# Altium PCB cyber60-smk.PcbDoc (part 1 of 4)
Units mm, origin at the board's own origin, x right, y up, seen from the top; angles counter-clockwise.
Board outline 284.73 x 94.2 mm, 2 copper layers (Component Side, Bottom Layer), stack 1.571 mm thick; 239 components, 148 nets, 988 pads, 591 vias.
Unrouted connection lines stored in the file: 6.
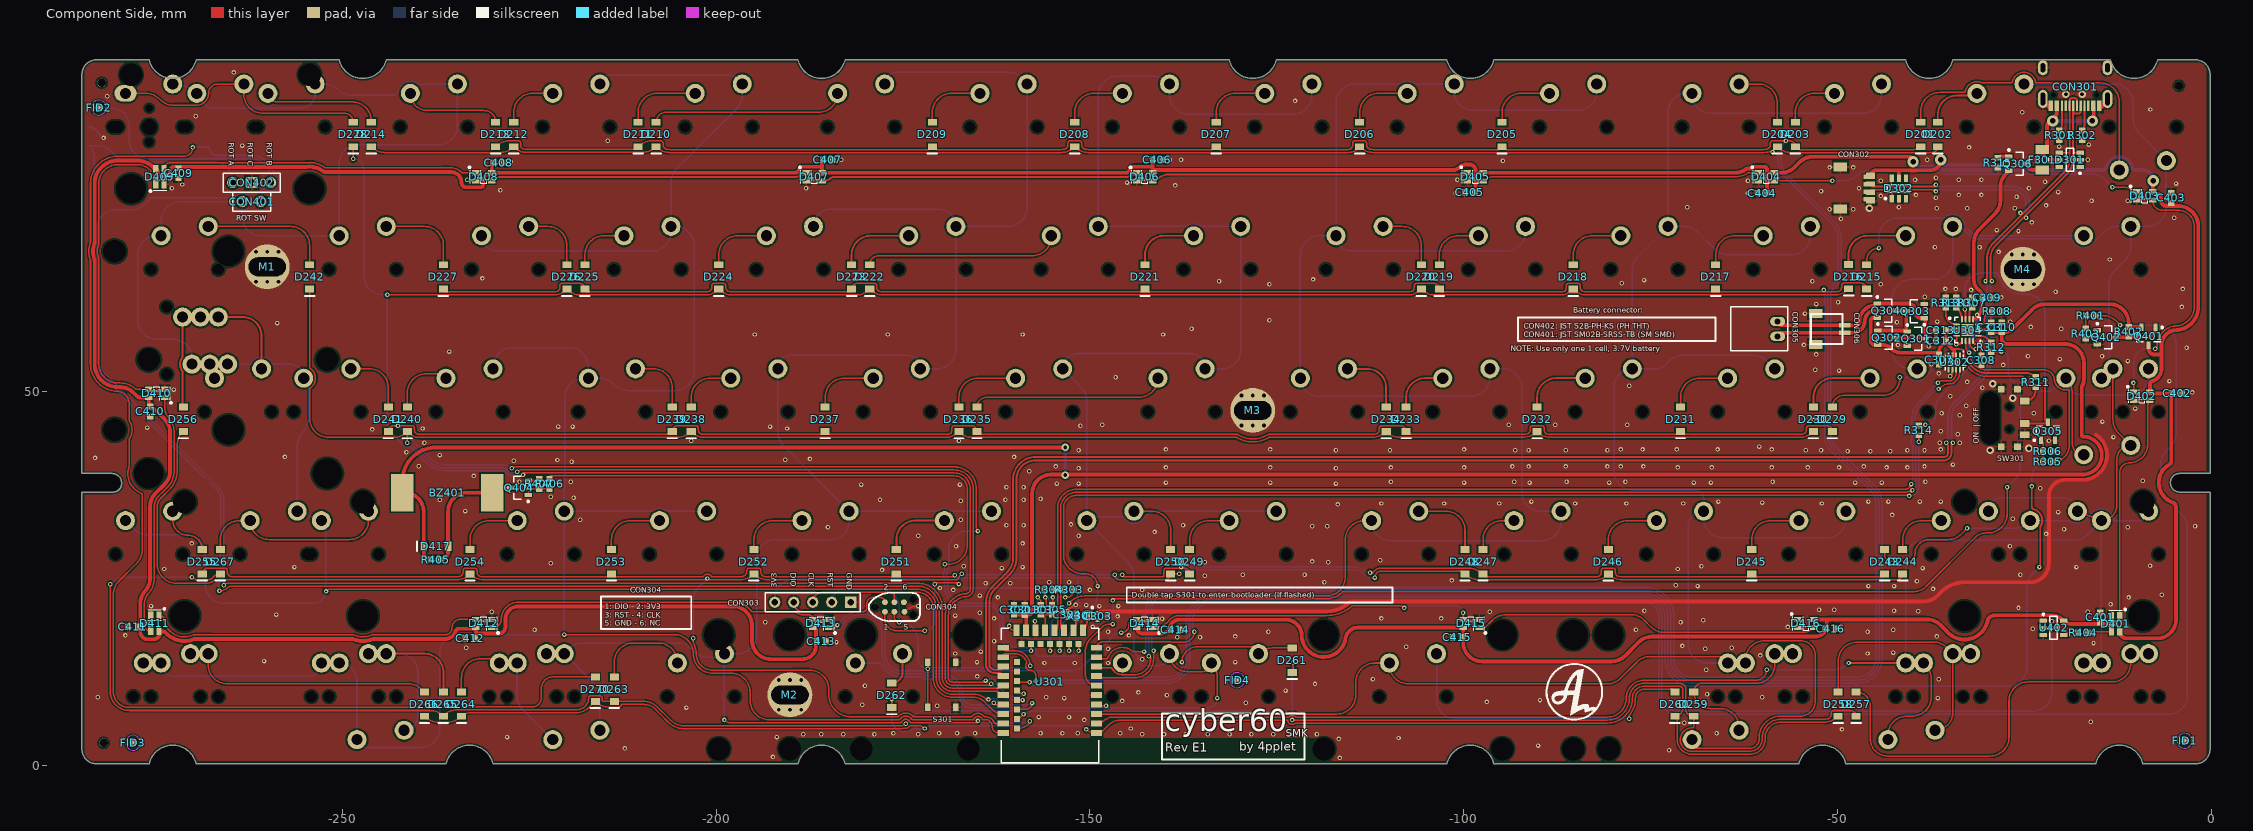
[diagram p0: Component Side view]
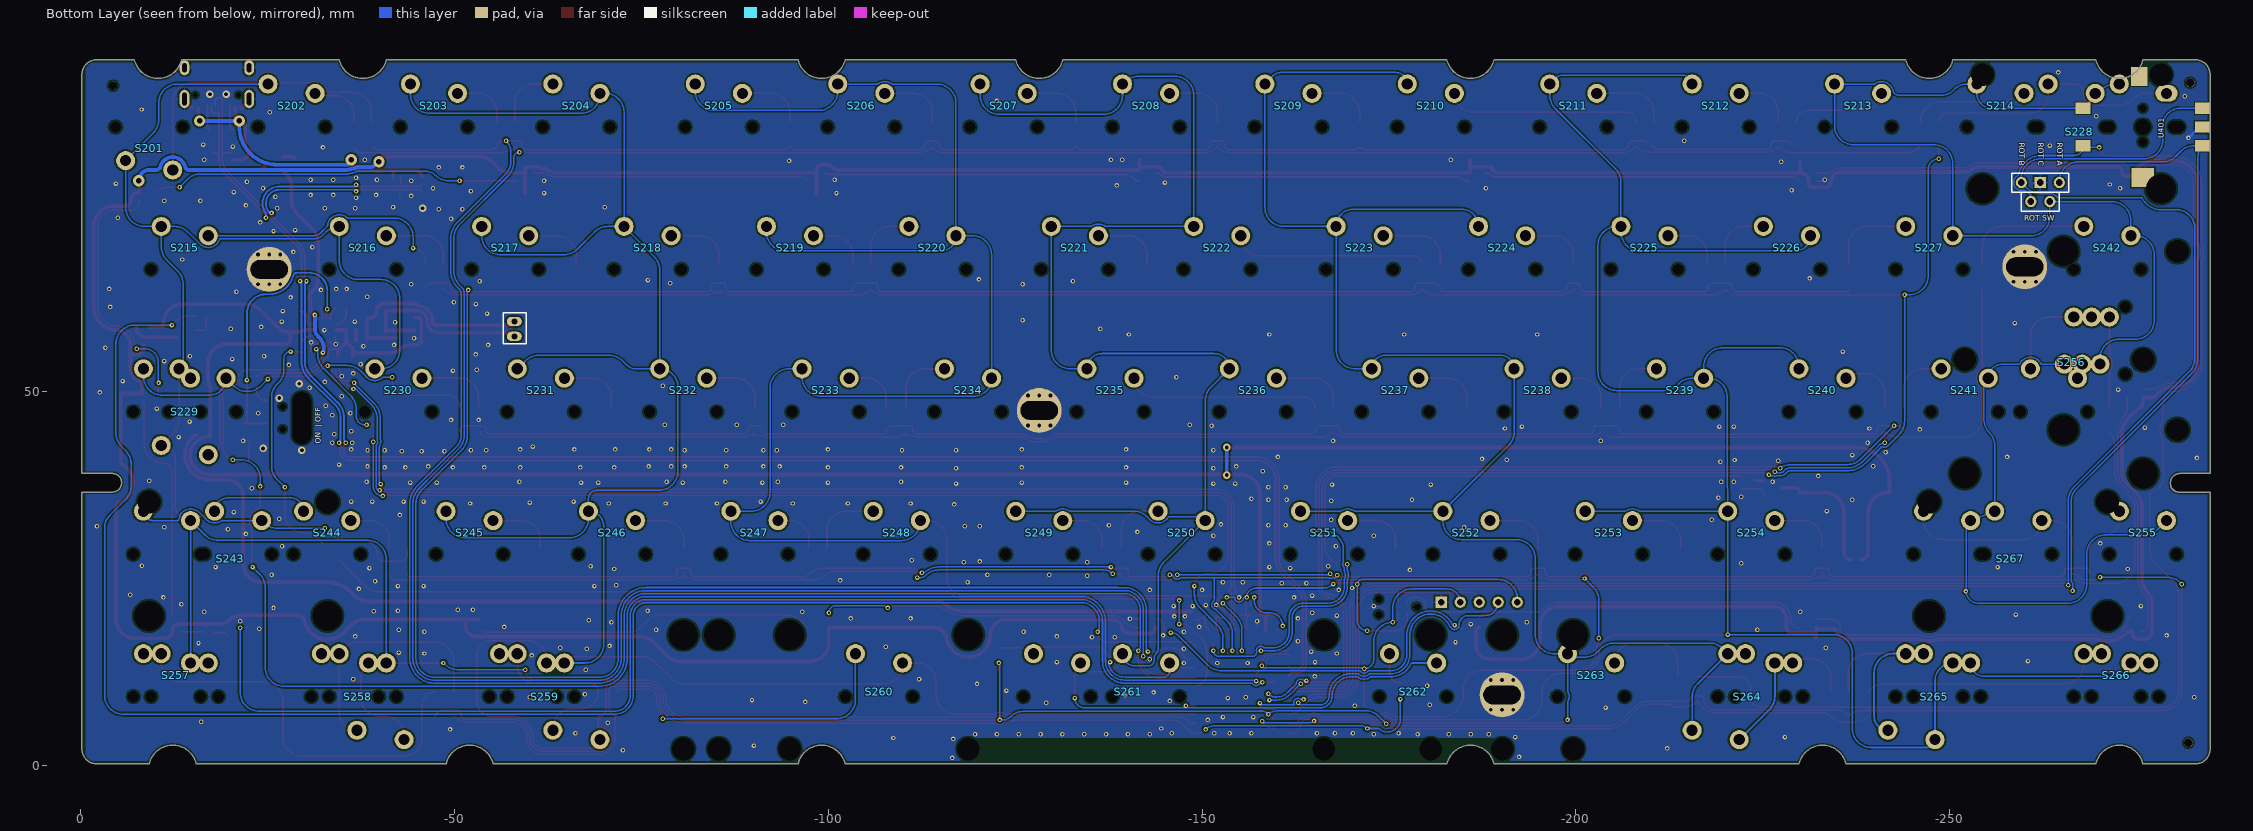
[diagram p1: Bottom Layer view, seen from below]
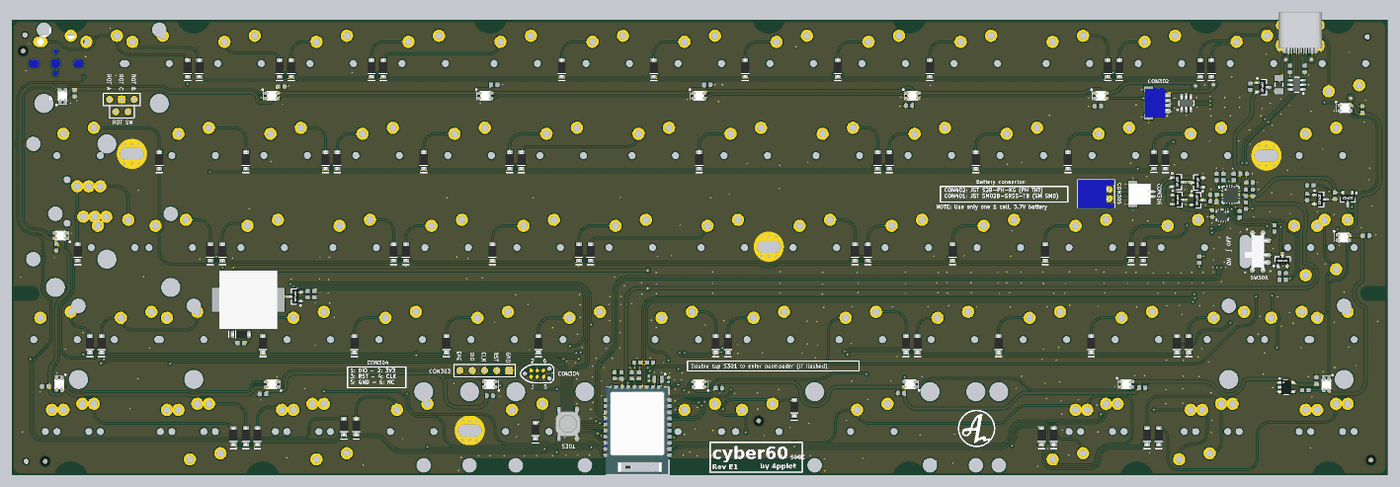
[diagram p5: 3D render of the assembled board from above, using the file's embedded part models]

## Layer stack, top to bottom
Top Solder: solder mask 0.0102, Solder Resist, Dk 3.5
Component Side: signal copper 0.0356
Dielectric 1: core 1.5, FR-4, Dk 4.2
Bottom Layer: signal copper 0.0356
Solder Side: solder mask 0.0102, Solder Resist, Dk 3.5

## Board outline
-284.85,2.215 ccw(c-282.85,2.215) -282.85,0.215 -275.85,0.215 cw(c-272.7,-0.52) -269.55,0.215 -236.137,0.215 cw(c-232.987,-0.52) -229.838,0.215 -189.05,0.215 cw(c-185.9,-0.52) -182.75,0.215 -102.25,0.215 cw(c-99.1,-0.52) -95.95,0.215 -55.161,0.215 cw(c-52.011,-0.52) -48.861,0.215 -15.45,0.215 cw(c-12.3,-0.52) -9.15,0.215 -2.15,0.215 ccw(c-2.15,2.215) -0.15,2.215 ccw(c-0.15,2.238) -0.127,2.238 -0.127,36.576 -4.191,36.576 cw(c-4.191,37.846) -5.461,37.846 cw(c-4.242,37.846) -4.242,39.065 -0.15,39.065 -0.15,92.415 ccw(c-2.15,92.415) -2.15,94.415 -7.177,94.415 cw(c-10.327,95.149) -13.477,94.415 -34.575,94.415 cw(c-37.724,95.149) -40.874,94.415 -95.95,94.415 cw(c-99.1,95.149) -102.25,94.415 -125.061,94.415 cw(c-128.211,95.149) -131.361,94.415 -182.75,94.415 cw(c-185.9,95.149) -189.05,94.415 -244.125,94.415 cw(c-247.274,95.149) -250.424,94.415 -269.55,94.415 cw(c-272.7,95.149) -275.85,94.415 -282.85,94.415 ccw(c-282.85,92.415) -284.85,92.415 -284.85,39.065 -280.797,39.065 cw(c-280.797,37.795) -279.527,37.795 -279.527,37.719 cw(c-280.67,37.719) -280.67,36.576 -284.861,36.576 -284.85,36.565

## Design rules (kind name [scope] priority, off if disabled: settings)
BoardOutlineClearance [All] p1: gap=0.305 ignorepadtopadclearanceinfootprint=FALSE except(0: Arc-SplitContinuation Track-SplitContinuation SMDPad-SplitContinuation THPad-SplitContinuation Via-SplitContinuation Fill-SplitContinuation Poly-SplitContinuation Region-SplitContinuation Text-SplitContinuation)
Clearance [All] p1: gap=0.2 ignorepadtopadclearanceinfootprint=FALSE except(0: Arc-Hole Track-Hole SMDPad-Hole THPad-Hole Via-Hole Fill-Hole Poly-Hole Region-Hole Text-Hole; 0.254: THPad-THPad THPad-Via THPad-Fill THPad-Poly THPad-Region THPad-Text Via-Via Via-Fill Via-Poly Via-Region Via-Text Fill-Fill Fill-Poly Fill-Region Fill-Text Poly-Poly Poly-Region Poly-Text Region-Region Region-Text Text-Text)
ComponentClearance [InComponent('No Component') And OnLayer('Component Side')] p1: gap=0.254 collisioncheckmode=3 verticalgap=0.254 showdistances=FALSE
DiffPairsRouting DiffPairsRouting_USB [InDifferentialPairClass('All Differential Pairs')] p1: maxlimit=0.254 minlimit=0.203 mostfreqgap=0.203 toplayer_minwidth=0.152 toplayer_maxwidth=0.381 toplayer_prefwidth=0.152 bottomlayer_minwidth=0.152 bottomlayer_maxwidth=0.381 bottomlayer_prefwidth=0.152 maxuncoupledlength=12.7
DiffPairsRouting [All] p2: maxlimit=0.254 minlimit=0.254 mostfreqgap=0.254 toplayer_minwidth=0.381 toplayer_maxwidth=0.381 toplayer_prefwidth=0.381 bottomlayer_minwidth=0.381 bottomlayer_maxwidth=0.381 bottomlayer_prefwidth=0.381 maxuncoupledlength=12.7
HoleSize [All] p1: absolutevalues=TRUE maxlimit=20 minlimit=0.025 maxpercent=80.000 minpercent=20.000
MatchedLengths MatchedLengths_USB_DiffPairs_1 [All] p1: tolerance=0.127 checknetsindiffpair=TRUE checkdiffpairvsdiffpair=FALSE checkxsignals=FALSE checkothers=FALSE
MatchedLengths MatchedLengths_USB_DiffPairs [All] p2: tolerance=0.127 checknetsindiffpair=TRUE checkdiffpairvsdiffpair=FALSE checkxsignals=FALSE checkothers=FALSE
PolygonConnect PolygonConnect_1 [All vs IsVia] p1: connectstyle=Direct reliefconductorwidth=0.254 reliefentries=4 polygonreliefangle="90 Angle" airgapwidth=0.254
PolygonConnect [All] p2: connectstyle=Relief reliefconductorwidth=0.254 reliefentries=4 polygonreliefangle="90 Angle" airgapwidth=0.254
RoutingVias [All] p1: holewidth=0.711 width=1.27 viastyle="Through Hole" minholewidth=0.3 minwidth=0.6 maxholewidth=0.711 maxwidth=1.27
SolderMaskExpansion [All] p1: expansion=0.102 istentingtop=FALSE
Width [All] p1: maxlimit=1.016 minlimit=0.203 preferedwidth=0.203
27 further rules are at their usual default settings.

## Classes and differential pairs
component class Designator: 2 C201 C202 C203 C204 C205 C206 D201 D202 D203 D204 D205 D206 D207 D208 D209 D210 D211 D212 D213 D214 D215 D216 D217 D218 D219 D220 D221 D222 D223 D224 D225 D226 D227 D228 D229 D230 D231 D232 D233 D234 D235 D236 D237 D238 D239 D240 D241 D242 D243 D244 D245 D246 D247 D248 D249 D250 D251 D252 D253 D254 D255 D256 D257 D258 D259 D260 D261 D262 D263 D264 D265 D266 D267 D270 S201 S202 S203 S204 S205 S206 S207 S208 S209 S210 S211 S212 S213 S214 S215 S216 S217 S218 S219 S220 S221 S222 S223 S224 S225 S226 S227 S228 S229 S230 S231 S232 S233 S234 S235 S236 S237 S238 S239 S240 S241 S242 S243 S244 S245 S246 S247 S248 S249 S250 S251 S252 S253 S254 S255 S256 S257 S258 S259 S260 S261 S262 S263 S264 S265 S266 S267
differential pair D: +D_P -D_N

## Components (designator, comment, footprint, x,y, rotation, side; value= is the part's Value field where it differs from the comment)
BZ401 "12x12mm buzzer" "buzzer 12x12" -235.966,36.5 r0 top
C301 "" C0603[1608] -158.697,20.813 r270 top value=0.1uF
C302 "" C0603[1608] -160.147,20.828 r270 top value=4.7uF
C303 "" C0402[1005] -148.971,19.939 r270 top value=12pF
C304 "" C0402[1005] -153.011,20.193 r270 top value=12pF
C305 "" C0603[1608] -155.067,20.828 r270 top value=1uF
C307 "" C0603[1608] -36.406,54.312 r90 top value=0.1uF
C308 "" C0603[1608] -30.734,54.2 r270 top value=1uF
C309 "" C0603[1608] -29.929,62.567 r180 top value=0.1uF
C310 "" C0603[1608] -28.024,58.63 r270 top value=1uF
C311 "" C0603[1608] -29.421,58.63 r270 top
C312 "" C0603[1608] -36.152,56.852 r0 top value=1uF
C313 "" C0603[1608] -36.152,58.249 r0 top value=4,7uF
C401 "" C0603[1608] -14.859,19.812 r270 top value=0.1uF
C402 "" C0603[1608] -4.572,49.784 r180 top value=0.1uF
C403 "" C0603[1608] -5.334,75.931 r270 top value=0.1uF
C404 "" C0603[1608] -60.071,76.581 r0 top value=0.1uF
C405 "" C0603[1608] -99.187,76.708 r0 top value=0.1uF
C406 "" C0603[1608] -140.97,81.026 r180 top value=0.1uF
C407 "" C0603[1608] -185.054,81.026 r180 top value=0.1uF
C408 "" C0603[1608] -229.108,80.645 r180 top value=0.1uF
C409 "" C0603[1608] -271.907,79.248 r90 top value=0.1uF
C410 "" C0603[1608] -275.717,47.371 r90 top value=0.1uF
C411 "" C0603[1608] -278.003,18.542 r0 top value=0.1uF
C412 "" C0603[1608] -232.918,17.018 r0 top value=0.1uF
C413 "" C0603[1608] -185.928,16.637 r180 top value=0.1uF
C414 "" C0603[1608] -138.557,18.161 r180 top value=0.1uF
C415 "" C0603[1608] -100.838,17.145 r0 top value=0.1uF
C416 "" C0603[1608] -50.927,18.288 r180 top value=0.1uF
CON301 "TYPE-C-31-M-12" TYPE-C-31-M-12 -18.2,88.25 r180 top locked
CON302 "Header 5" UDB_COMBO_JST_MOLEX -47.75,77.25 r270 top
CON303 "Header 5" HDR1X5 -181.991,21.844 r180 top
CON304 "TC2030-IDC" TC2030-IDC-NL -176.149,21.209 r0 top
CON305 "JST S2B-PH THT" "JST S2B-PH-K(LF)(SN)" -58,58.404 r90 top
CON306 "JST SM02B SMD" "JST SM02B-SRSS-TB" -49,58.396 r270 top
CON401 "Header 2" HDR1X2 -260.858,75.438 r180 top
CON402 "Header 3" HDR1X3 -259.588,77.978 r180 top
D201 "Diode" SOD-123 -38.862,84.415 r90 top
D202 "Diode" SOD-123 -36.576,84.415 r90 top
D203 "Diode" SOD-123 -55.626,84.415 r90 top
D204 "Diode" SOD-123 -58.039,84.415 r90 top
D205 "Diode" SOD-123 -94.869,84.415 r90 top
D206 "Diode" SOD-123 -113.919,84.415 r90 top
D207 "Diode" SOD-123 -133.096,84.415 r90 top
D208 "Diode" SOD-123 -152.019,84.415 r90 top
D209 "Diode" SOD-123 -171.069,84.415 r90 top
D210 "Diode" SOD-123 -208.026,84.415 r90 top
D211 "Diode" SOD-123 -210.439,84.415 r90 top
D212 "Diode" SOD-123 -227.076,84.415 r90 top
D213 "Diode" SOD-123 -229.489,84.415 r90 top
D214 "Diode" SOD-123 -246.126,84.415 r90 top
D215 "Diode" SOD-123 -46.101,65.365 r90 top
D216 "Diode" SOD-123 -48.514,65.405 r90 top
D217 "Diode" SOD-123 -66.294,65.365 r90 top
D218 "Diode" SOD-123 -85.344,65.365 r90 top
D219 "Diode" SOD-123 -103.251,65.365 r90 top
D220 "Diode" SOD-123 -105.664,65.365 r90 top
D221 "Diode" SOD-123 -142.621,65.365 r90 top
D222 "Diode" SOD-123 -179.451,65.365 r90 top
D223 "Diode" SOD-123 -181.864,65.365 r90 top
D224 "Diode" SOD-123 -199.644,65.365 r90 top
D225 "Diode" SOD-123 -217.551,65.365 r90 top
D226 "Diode" SOD-123 -219.964,65.365 r90 top
D227 "Diode" SOD-123 -236.474,65.365 r90 top
D228 "Diode" SOD-123 -248.539,84.415 r90 top
D229 "Diode" SOD-123 -50.673,46.315 r90 top
D230 "Diode" SOD-123 -53.213,46.315 r90 top
D231 "Diode" SOD-123 -70.993,46.315 r90 top
D232 "Diode" SOD-123 -90.17,46.315 r90 top
D233 "Diode" SOD-123 -107.696,46.315 r90 top
D234 "Diode" SOD-123 -110.363,46.315 r90 top
D235 "Diode" SOD-123 -165.1,46.315 r90 top
D236 "Diode" SOD-123 -167.513,46.315 r90 top
D237 "Diode" SOD-123 -185.42,46.315 r90 top
D238 "Diode" SOD-123 -203.327,46.315 r90 top
D239 "Diode" SOD-123 -205.867,46.315 r90 top
D240 "Diode" SOD-123 -241.3,46.315 r90 top
D241 "Diode" SOD-123 -243.84,46.315 r90 top
D242 "Diode" SOD-123 -254.381,65.365 r90 top
D243 "Diode" SOD-123 -43.688,27.265 r90 top
D244 "Diode" SOD-123 -41.275,27.265 r90 top
D245 "Diode" SOD-123 -61.468,27.265 r90 top
D246 "Diode" SOD-123 -80.645,27.265 r90 top
D247 "Diode" SOD-123 -97.409,27.265 r90 top
D248 "Diode" SOD-123 -99.822,27.265 r90 top
D249 "Diode" SOD-123 -136.652,27.265 r90 top
D250 "Diode" SOD-123 -139.192,27.265 r90 top
D251 "Diode" SOD-123 -175.895,27.265 r90 top
D252 "Diode" SOD-123 -194.945,27.265 r90 top
D253 "Diode" SOD-123 -213.995,27.265 r90 top
D254 "Diode" SOD-123 -232.918,27.265 r90 top
D255 "Diode" SOD-123 -268.732,27.265 r90 top
D256 "Diode" SOD-123 -271.272,46.315 r90 top
D257 "Diode" SOD-123 -47.498,8.215 r90 top
D258 "Diode" SOD-123 -49.911,8.215 r90 top
D259 "Diode" SOD-123 -69.215,8.215 r90 top
D260 "Diode" SOD-123 -71.755,8.215 r90 top
D261 "Diode" SOD-123 -122.936,14.097 r90 top
D262 "Diode" SOD-123 -176.5,9.398 r90 top
D263 "Diode" SOD-123 -213.614,10.215 r90 top
D264 "Diode" SOD-123 -234.061,8.215 r90 top
D265 "Diode" SOD-123 -236.474,8.215 r90 top
D266 "Diode" SOD-123 -239.014,8.215 r90 top
D267 "Diode" SOD-123 -266.319,27.265 r90 top
D270 "Diode" SOD-123 -216.154,10.215 r90 top
D301 "SRV05" SOT-23-6 -18.923,81.026 r0 top
D302 "SRV05" SOT-23-6 -41.783,77.216 r270 top
D401 "WS2812B" "WS2812B - 2020" -12.785,18.972 r270 top
D402 "WS2812B" "WS2812B - 2020" -9.271,49.403 r0 top
D403 "WS2812B" "WS2812B - 2020" -8.89,76.2 r0 top
D404 "WS2812B" "WS2812B - 2020" -59.5,78.75 r0 top
D405 "WS2812B" "WS2812B - 2020" -98.433,78.75 r0 top
D406 "WS2812B" "WS2812B - 2020" -142.65,78.75 r0 top
D407 "WS2812B" "WS2812B - 2020" -186.867,78.75 r0 top
D408 "WS2812B" "WS2812B - 2020" -231.083,78.75 r0 top
D409 "WS2812B" "WS2812B - 2020" -274.4,78.75 r90 top
D410 "WS2812B" "WS2812B - 2020" -274.828,49.784 r180 top
D411 "WS2812B" "WS2812B - 2020" -275.082,19.05 r270 top
D412 "WS2812B" "WS2812B - 2020" -231.083,19 r180 top
D413 "WS2812B" "WS2812B - 2020" -186,19 r180 top
D414 "WS2812B" "WS2812B - 2020" -142.65,19 r180 top
D415 "WS2812B" "WS2812B - 2020" -99,19 r180 top
D416 "WS2812B" "WS2812B - 2020" -54.217,19 r0 top
D417 "B5819W" SOD-123 -237.49,29.337 r0 top
F301 "Fuse Thermal" C1206[3216] -22.606,81.026 r90 top
FID1 "Plug" Fiducial_Nordic -3.556,3.302 r90 top
FID2 "Plug" Fiducial_Nordic -282.575,88.011 r90 top
FID3 "Plug" Fiducial_Nordic -278.003,3.048 r90 top
FID4 "Plug" Fiducial_Nordic -130.302,11.43 r90 top
L301 "Inductor" L0603[1608] -156.591,20.828 r90 top
M1 "Socket" mounting_hole -260.05,66.715 r0 top
M2 "Socket" mounting_hole -190.119,9.45 r0 top
M3 "Socket" mounting_hole -128.212,47.5 r0 top
M4 "Socket" mounting_hole -25.2,66.365 r0 top
Q301 "2N7002 NMOS" SOT-23-3 -39.454,57.106 r180 top
Q302 "SI2301CDS PMOS" SOT-23-3 -43.391,57.233 r180 top
Q303 "2N7002 NMOS" SOT-23-3 -39.581,60.789 r0 top
Q304 "SI2301CDS PMOS" SOT-23-3 -43.461,60.855 r180 top
Q305 "2N7002 NMOS" SOT-23-3 -21.844,44.704 r270 top
Q306 "SI2301CDS PMOS" SOT-23-3 -25.867,80.507 r180 top
Q401 "SI2301CDS PMOS" SOT-23-3 -8.382,57.404 r90 top
Q402 "2N7002 NMOS" SOT-23-3 -14.027,57.277 r180 top
Q404 "2N7002 NMOS" SOT-23-3 -226.345,37.16 r0 top
R301 "Res1" R0603[1608] -20.32,84.328 r270 top value=5k1
R302 "Res1" R0603[1608] -17.272,84.328 r270 top value=5k1
R303 "Res1" R0603[1608] -152.781,23.495 r180 top value=10K
R304 "Res1" R0603[1608] -155.448,23.495 r0 top value=10K
R305 "Res1" R0603[1608] -21.844,40.64 r180 top value=100
R306 "Res1" R0603[1608] -21.844,42.037 r0 top value=10K
R307 "Res1" R0603[1608] -31.961,61.932 r90 top value=47K
R308 "Res1" R0603[1608] -28.659,60.789 r0 top value=1K5
R310 "Res1" R0603[1608] -34.12,61.932 r90 top value=3K9
R311 "Res1" R0603[1608] -23.495,51.293 r90 top value=100K
R312 "Res1" R0603[1608] -29.421,55.963 r270 top value=10K
R313 "Res1" R0603[1608] -35.517,61.932 r90 top value=10K
R314 "Res1" R0603[1608] -39.116,44.831 r270 top value=10K
R315 "Res1" R0603[1608] -28.534,80.634 r270 top value=1K5
R401 "Res1" R0603[1608] -16.129,60.198 r180 top value=330R
R402 "Res1" R0603[1608] -11.049,58.039 r90 top value=2M
R403 "Res1" R0603[1608] -16.764,57.785 r270 top value=1M
R404 "Res1" R0603[1608] -17.145,17.78 r180 top value=330R
R405 "Res1" R0603[1608] -237.49,27.559 r0 top value=680R
R406 "Res1" R0603[1608] -222.281,37.668 r90 top value=330R
R407 "Res1" R0603[1608] -223.678,37.668 r90 top value=100k
S201 "MX" SMK-switch#1 -9.15,85.415 r0 bottom
S202 "MX" "SMK-switch - switched polarity" -28.2,85.415 r180 bottom locked
S203 "MX" "SMK-switch - switched polarity" -47.25,85.415 r180 bottom locked
S204 "MX" SMK-switch#1 -66.3,85.415 r180 bottom locked
S205 "MX" "SMK-switch - switched polarity" -85.35,85.415 r180 bottom locked
S206 "MX" "SMK-switch - switched polarity" -104.4,85.415 r180 bottom locked
S207 "MX" "SMK-switch - switched polarity" -123.45,85.415 r180 bottom locked
S208 "MX" "SMK-switch - switched polarity" -142.5,85.415 r180 bottom locked
S209 "MX" "SMK-switch - switched polarity" -161.55,85.415 r180 bottom locked
S210 "MX" "SMK-switch - switched polarity" -180.6,85.415 r180 bottom locked
S211 "MX" "SMK-switch - switched polarity" -199.65,85.415 r180 bottom locked
S212 "MX" "SMK-switch - switched polarity" -218.7,85.415 r180 bottom locked
S213 "MX" "SMK-switch - switched polarity" -237.75,85.415 r180 bottom locked
S214 "MX" "SMK-switch - switched polarity" -256.8,85.415 r180 bottom locked
S215 "MX" "SMK-switch - switched polarity" -13.912,66.365 r180 bottom locked
S216 "MX" "SMK-switch - switched polarity" -37.725,66.365 r180 bottom locked
S217 "MX" "SMK-switch - switched polarity" -56.775,66.365 r180 bottom locked
S218 "MX" "SMK-switch - switched polarity" -75.825,66.365 r180 bottom locked
S219 "MX" "SMK-switch - switched polarity" -94.875,66.365 r180 bottom locked
S220 "MX" SMK-switch#1 -113.925,66.365 r180 bottom locked
S221 "MX" "SMK-switch - switched polarity" -132.975,66.365 r180 bottom locked
S222 "MX" "SMK-switch - switched polarity" -152.025,66.365 r180 bottom locked
S223 "MX" "SMK-switch - switched polarity" -171.075,66.365 r180 bottom locked
S224 "MX" "SMK-switch - switched polarity" -190.125,66.365 r180 bottom locked
S225 "MX" "SMK-switch - switched polarity" -209.175,66.365 r180 bottom locked
S226 "MX" SMK-switch#1 -228.225,66.365 r180 bottom locked
S227 "MX" SMK-switch#1 -247.275,66.365 r180 bottom locked
S228 "MX" "SMK-switch - backspace" -266.319,85.415 r180 bottom locked
S229 "MX" "SMK-switch - CAPS" -16.294,47.315 r180 bottom locked
S230 "MX" "SMK-switch - switched polarity" -42.487,47.315 r180 bottom locked
S231 "MX" "SMK-switch - switched polarity" -61.537,47.315 r180 bottom locked
S232 "MX" "SMK-switch - switched polarity" -80.587,47.315 r180 bottom locked
S233 "MX" "SMK-switch - switched polarity" -99.637,47.315 r180 bottom locked
S234 "MX" SMK-switch#1 -118.687,47.315 r180 bottom locked
S235 "MX" "SMK-switch - switched polarity" -137.737,47.315 r180 bottom locked
S236 "MX" "SMK-switch - switched polarity" -156.787,47.315 r180 bottom locked
S237 "MX" "SMK-switch - switched polarity" -175.837,47.315 r180 bottom locked
S238 "MX" "SMK-switch - switched polarity" -194.887,47.315 r180 bottom locked
S239 "MX" SMK-switch#1 -213.937,47.315 r180 bottom locked
S240 "MX" "SMK-switch - switched polarity" -232.987,47.315 r180 bottom